# KiCad board SevenSegment.kicad_pcb (continued)
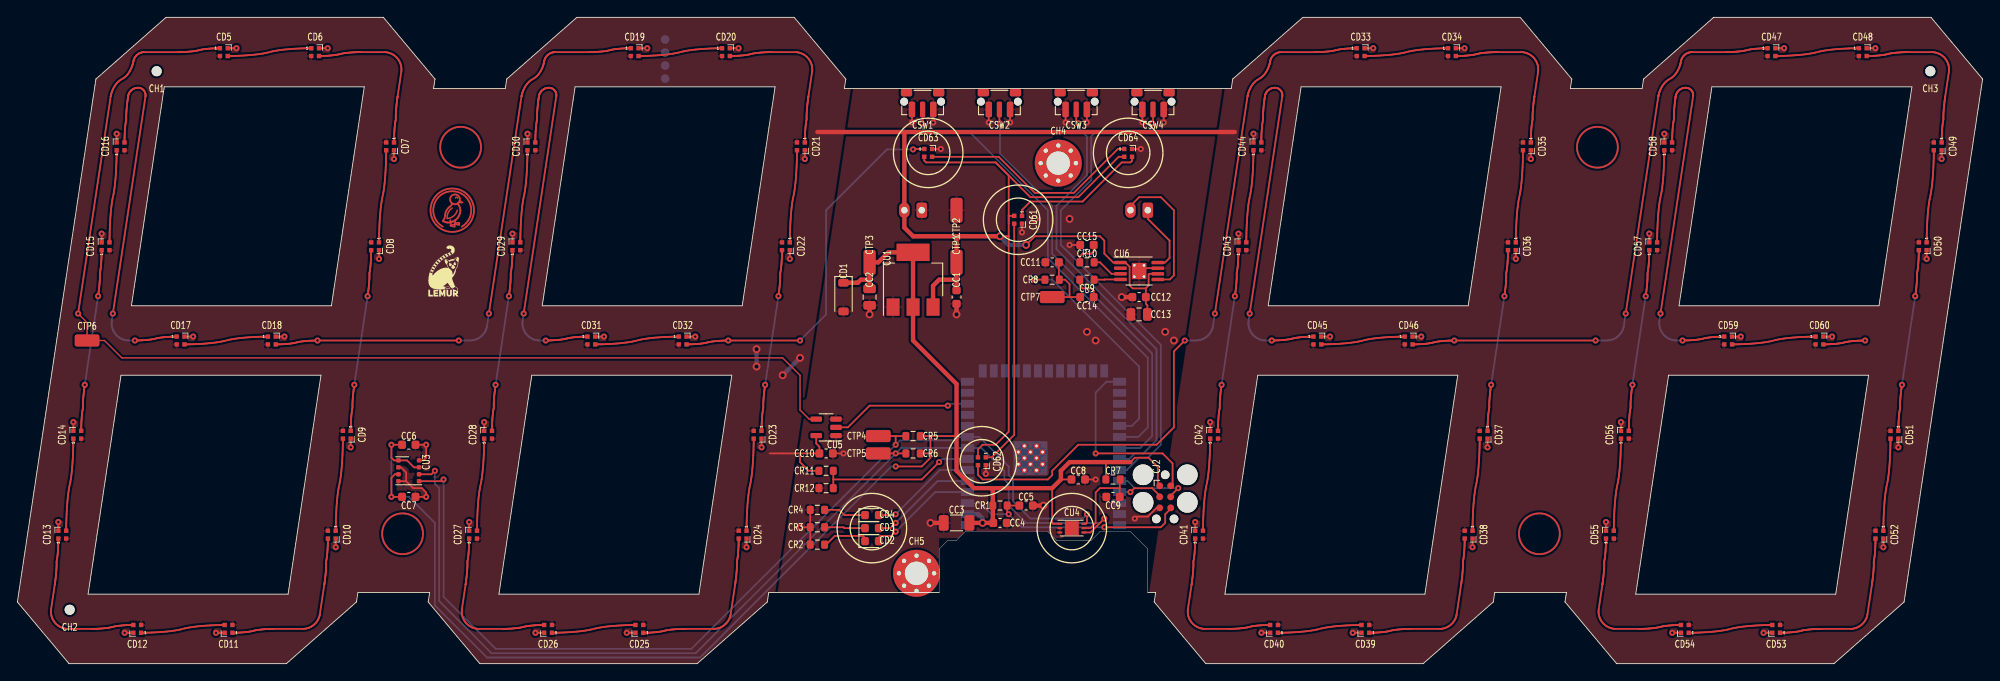
[diagram p0: board, top side]
## Routing (per net, layer and track width the routed paths; a pad name or vN(x,y) marks a point on that pad's centre or on a via; arc(x,y) is an arc through that point) (continued)
digit[0].led[11].dout: length 43.3
  Top w0.2: v2(13.52,37.2) 13.56,37.2 13.59,37.2 13.64,37.2 13.74,37.2 13.81,37.2 13.88,37.21 13.96,37.21 14.04,37.21 14.12,37.21 14.22,37.22 14.31,37.22 14.41,37.23 14.51,37.23 14.61,37.24 14.82,37.26 14.93,37.27 15.04,37.28 15.14,37.29 15.25,37.3 15.35,37.31 15.45,37.33 15.55,37.35 15.65,37.36 15.74,37.38 15.83,37.4 16,37.45 16.09,37.47 16.18,37.49 16.28,37.5 16.38,37.52 16.48,37.53 16.58,37.55 16.69,37.56 16.79,37.57 17.01,37.59 17.22,37.61 17.32,37.62 17.42,37.62 17.52,37.63 17.61,37.63 17.7,37.64 17.79,37.64 17.87,37.64 17.95,37.64 18.02,37.65 18.14,37.65 18.19,37.65 ; v2(10.98,40.3) 14.73,65.3 14.73,65.31 14.74,65.36 14.74,65.41 14.74,65.46 14.74,65.52 14.73,65.56 14.72,65.61 14.71,65.66 14.7,65.71 14.68,65.75 14.66,65.8 14.64,65.84 14.62,65.88 14.59,65.92 14.56,65.96 14.53,66 14.5,66.04 14.47,66.07 14.43,66.1 14.39,66.13 14.35,66.16 14.31,66.19 14.27,66.21 14.22,66.23 14.18,66.25 14.13,66.26 14.08,66.28 14.03,66.29 13.98,66.29 13.93,66.3 13.88,66.3 13.82,66.3 13.77,66.29 13.71,66.29 13.66,66.28 13.6,66.27 13.55,66.25 13.5,66.23 13.45,66.21 13.39,66.19 13.35,66.17 13.3,66.14 13.25,66.12 13.21,66.08 13.16,66.05 13.12,66.02 13.08,65.98 13.04,65.94 13.01,65.91 12.97,65.86 12.94,65.82 12.91,65.77 12.88,65.73 12.85,65.68 12.83,65.63 12.81,65.58 12.79,65.53 12.77,65.48 12.75,65.42 12.74,65.37 12.73,65.29 12.73,65.28 12.72,65.25 12.72,65.21 12.71,65.17 12.7,65.11 12.7,65.05 12.69,64.98 12.67,64.9 12.67,64.82 12.65,64.73 12.64,64.63 12.63,64.53 12.62,64.43 12.61,64.32 12.59,64.21 12.58,64.09 12.57,63.98 12.56,63.86 12.55,63.63 12.54,63.51 12.53,63.39 12.53,63.28 12.52,63.17 12.52,63.05 12.52,62.95 12.52,62.84 12.52,62.74 12.52,62.65 12.5,62.56 12.48,62.46 12.47,62.36 12.45,62.25 12.44,62.14 12.42,62.03 12.41,61.91 12.4,61.8 12.39,61.68 12.37,61.44 12.36,61.33 12.36,61.21 12.34,60.99 12.34,60.88 12.33,60.77 12.33,60.67 12.33,60.58 12.33,60.49 12.32,60.4 12.32,60.32 12.32,60.19 12.32,60.13
  Bottom w0.2: v2(10.98,40.3) 10.86,39.5 10.84,39.38 10.84,39.26 10.84,39.14 10.84,39.02 10.86,38.91 10.88,38.79 10.91,38.68 10.94,38.57 10.98,38.47 11.02,38.36 11.07,38.26 11.12,38.17 11.19,38.07 11.25,37.98 11.32,37.89 11.4,37.81 11.48,37.73 11.56,37.66 11.65,37.59 11.74,37.53 11.84,37.47 11.94,37.41 12.04,37.36 12.14,37.32 12.25,37.29 12.37,37.26 12.48,37.23 12.6,37.21 12.72,37.2 12.84,37.2 v2(13.52,37.2)
digit[0].led[12].dout: length 9.5
  Top w0.2: 28.72,37.65 28.66,37.65 28.57,37.65 28.47,37.65 28.36,37.64 28.23,37.64 28.09,37.64 27.93,37.63 27.77,37.63 27.59,37.62 27.41,37.61 27.22,37.6 27.03,37.59 26.83,37.58 26.62,37.57 26.41,37.55 26.2,37.54 25.98,37.52 25.77,37.5 25.56,37.47 25.35,37.45 25.14,37.42 24.94,37.39 24.74,37.36 24.55,37.32 24.36,37.28 24.18,37.24 23.85,37.16 23.67,37.12 23.48,37.08 23.29,37.04 23.09,37.01 22.89,36.98 22.68,36.95 22.47,36.93 22.26,36.9 22.05,36.88 21.83,36.86 21.62,36.85 21.41,36.83 21.2,36.82 21,36.81 20.81,36.8 20.62,36.79 20.44,36.78 20.26,36.77 20.1,36.77 19.94,36.76 19.8,36.76 19.67,36.76 19.56,36.75 19.46,36.75 19.37,36.75 19.31,36.75
digit[1].dout: length 43.4
  Top w0.2: 77.09,36.75 77.19,36.75 77.26,36.75 77.33,36.76 77.41,36.76 77.49,36.76 77.58,36.76 77.67,36.77 77.76,36.77 77.86,36.78 77.96,36.78 78.06,36.79 78.27,36.81 78.49,36.83 78.59,36.84 78.7,36.85 78.8,36.86 78.9,36.88 79,36.9 79.1,36.91 79.19,36.93 79.28,36.95 79.45,37 79.54,37.02 79.63,37.04 79.73,37.05 79.83,37.07 79.93,37.08 80.03,37.1 80.14,37.11 80.24,37.12 80.35,37.13 80.46,37.14 80.67,37.16 80.77,37.17 80.87,37.17 80.97,37.18 81.06,37.18 81.16,37.19 81.24,37.19 81.32,37.19 81.4,37.19 81.47,37.2 81.59,37.2 81.64,37.2 81.69,37.2 81.72,37.2 v2(81.77,37.2) v2(90.02,37.2) ; v2(103.02,59.2) 103.06,59.25 CD63.1
  Bottom w0.2: v2(103.02,59.2) 100.02,59.2 93.02,52.2 93.02,40.2 v2(90.02,37.2)
digit[1].led[0].dout: length 9.5
  Top w0.2: 71.53,69.95 71.6,69.95 71.69,69.95 71.79,69.95 71.9,69.96 72.03,69.96 72.17,69.96 72.33,69.97 72.49,69.97 72.66,69.98 72.85,69.99 73.04,70 73.23,70.01 73.44,70.02 73.64,70.03 73.85,70.05 74.06,70.06 74.28,70.08 74.49,70.1 74.7,70.13 74.91,70.15 75.12,70.18 75.32,70.21 75.52,70.24 75.71,70.28 75.9,70.32 76.08,70.36 76.41,70.44 76.59,70.48 76.78,70.52 76.97,70.56 77.17,70.59 77.37,70.62 77.58,70.65 77.79,70.67 78,70.7 78.22,70.72 78.43,70.74 78.64,70.75 78.85,70.77 79.06,70.78 79.26,70.79 79.45,70.8 79.64,70.81 79.83,70.82 80,70.83 80.16,70.83 80.32,70.84 80.46,70.84 80.59,70.84 80.7,70.85 80.8,70.85 80.89,70.85 80.95,70.85
digit[1].led[1].dout: length 18.9
  Top w0.2: 90.57,60.13 90.57,60.25 90.57,60.32 90.57,60.4 90.58,60.49 90.58,60.58 90.58,60.67 90.58,60.77 90.59,60.88 90.59,60.99 90.61,61.21 90.61,61.33 90.62,61.44 90.64,61.68 90.65,61.8 90.66,61.91 90.67,62.03 90.69,62.14 90.7,62.25 90.72,62.36 90.73,62.46 90.75,62.56 90.77,62.65 90.77,62.74 90.77,62.84 90.77,62.95 90.77,63.05 90.77,63.17 90.78,63.28 90.78,63.39 90.79,63.51 90.8,63.63 90.81,63.86 90.82,63.98 90.83,64.09 90.84,64.21 90.86,64.32 90.87,64.43 90.88,64.53 90.89,64.63 90.9,64.73 90.91,64.82 90.92,64.9 90.94,64.98 90.94,65.05 90.95,65.11 90.96,65.17 90.97,65.21 90.97,65.25 90.98,65.3 91.4,68.1 91.41,68.22 91.42,68.34 91.42,68.46 91.41,68.58 91.4,68.69 91.38,68.81 91.36,68.92 91.32,69.03 91.28,69.13 91.24,69.24 91.19,69.34 91.14,69.43 91.07,69.53 91.01,69.62 90.94,69.7 90.86,69.79 90.78,69.87 90.7,69.94 90.61,70.01 90.52,70.07 90.42,70.13 90.32,70.19 90.22,70.23 90.12,70.28 90.01,70.31 89.89,70.34 89.78,70.37 89.66,70.39 89.54,70.4 89.42,70.4 86.7,70.4 86.67,70.4 86.62,70.4 86.52,70.4 86.45,70.4 86.38,70.39 86.3,70.39 86.22,70.39 86.14,70.39 86.04,70.38 85.95,70.38 85.85,70.37 85.75,70.37 85.65,70.36 85.44,70.34 85.22,70.32 85.12,70.31 85.01,70.3 84.91,70.28 84.81,70.27 84.71,70.25 84.61,70.24 84.52,70.22 84.43,70.2 84.26,70.15 84.17,70.13 84.08,70.11 83.98,70.1 83.88,70.08 83.78,70.06 83.68,70.05 83.57,70.04 83.47,70.03 83.36,70.02 83.25,70.01 83.04,69.99 82.94,69.98 82.84,69.98 82.74,69.97 82.65,69.97 82.56,69.96 82.47,69.96 82.39,69.96 82.31,69.96 82.24,69.95 82.12,69.95 82.07,69.95
digit[1].led[2].dout: length 10.4
  Top w0.2: 89.67,59 89.67,58.93 89.67,58.83 89.66,58.72 89.66,58.59 89.66,58.45 89.66,58.3 89.65,58.13 89.65,57.94 89.64,57.75 89.63,57.55 89.63,57.34 89.62,57.13 89.61,56.9 89.59,56.67 89.58,56.44 89.56,56.21 89.55,55.97 89.53,55.74 89.5,55.5 89.48,55.27 89.46,55.04 89.43,54.82 89.4,54.6 89.37,54.39 89.33,54.18 89.3,53.99 89.22,53.61 89.18,53.42 89.14,53.21 89.11,53 89.08,52.78 89.05,52.56 89.03,52.33 89,52.09 88.98,51.86 88.97,51.62 88.95,51.39 88.93,51.16 88.92,50.92 88.91,50.7 88.89,50.47 88.88,50.26 88.88,50.05 88.87,49.85 88.86,49.66 88.86,49.47 88.85,49.3 88.85,49.15 88.85,49 88.85,48.88 88.84,48.77 88.84,48.67 88.84,48.6
digit[1].led[3].dout: length 20.7
  Top w0.2: v2(87.53,42.3) 87.54,42.35 87.54,42.39 87.55,42.43 87.56,42.49 87.56,42.55 87.58,42.62 87.59,42.7 87.59,42.78 87.61,42.87 87.62,42.97 87.63,43.07 87.64,43.17 87.65,43.28 87.66,43.39 87.68,43.5 87.69,43.62 87.7,43.74 87.72,43.97 87.72,44.09 87.73,44.21 87.73,44.32 87.74,44.43 87.74,44.54 87.74,44.65 87.74,44.76 87.74,44.85 87.74,44.95 87.76,45.04 87.78,45.14 87.79,45.24 87.81,45.35 87.82,45.46 87.84,45.57 87.85,45.69 87.86,45.8 87.87,45.92 87.89,46.16 87.9,46.27 87.91,46.39 87.92,46.61 87.92,46.72 87.93,46.83 87.93,46.93 87.93,47.02 87.94,47.11 87.94,47.2 87.94,47.28 87.94,47.41 87.94,47.47 ; 85.59,26.93 85.59,27.05 85.59,27.12 85.59,27.2 85.59,27.29 85.6,27.38 85.6,27.47 85.6,27.57 85.61,27.68 85.61,27.79 85.62,28.01 85.63,28.13 85.64,28.24 85.66,28.48 85.67,28.6 85.68,28.71 85.69,28.83 85.71,28.94 85.72,29.05 85.74,29.16 85.75,29.26 85.77,29.36 85.79,29.45 85.79,29.54 85.79,29.64 85.79,29.75 85.79,29.85 85.79,29.97 85.8,30.08 85.8,30.19 85.81,30.31 85.81,30.43 85.83,30.66 85.84,30.78 85.85,30.89 85.87,31.01 85.88,31.12 85.89,31.23 85.9,31.33 85.91,31.43 85.92,31.53 85.94,31.62 85.94,31.7 85.95,31.78 85.97,31.85 85.97,31.91 85.98,31.97 85.99,32.01 85.99,32.05 86,32.08 v2(86,32.1)
  Bottom w0.2: v2(87.53,42.3) v2(86,32.1)
digit[1].led[4].dout: length 10.4
  Top w0.2: 83.86,15.4 83.86,15.47 83.86,15.57 83.87,15.68 83.87,15.8 83.87,15.95 83.87,16.1 83.88,16.27 83.88,16.45 83.89,16.65 83.9,16.85 83.9,17.06 83.91,17.27 83.92,17.5 83.94,17.72 83.95,17.96 83.97,18.19 83.98,18.42 84,18.66 84.03,18.89 84.05,19.13 84.07,19.36 84.1,19.58 84.13,19.8 84.16,20.01 84.2,20.22 84.23,20.41 84.31,20.79 84.35,20.98 84.39,21.19 84.42,21.4 84.45,21.62 84.48,21.84 84.5,22.07 84.53,22.3 84.55,22.54 84.56,22.77 84.58,23.01 84.6,23.24 84.61,23.47 84.62,23.7 84.64,23.93 84.65,24.14 84.65,24.35 84.66,24.55 84.67,24.74 84.67,24.93 84.68,25.1 84.68,25.25 84.68,25.39 84.68,25.52 84.69,25.63 84.69,25.73 84.69,25.8
digit[1].led[5].dout: length 19.5
  Top w0.2: 72.11,3.55 72.21,3.55 72.28,3.55 72.35,3.56 72.43,3.56 72.51,3.56 72.59,3.56 72.69,3.57 72.78,3.57 72.88,3.58 72.98,3.58 73.08,3.59 73.29,3.61 73.4,3.62 73.51,3.63 73.61,3.64 73.72,3.65 73.82,3.66 73.92,3.68 74.02,3.7 74.12,3.71 74.21,3.73 74.3,3.75 74.47,3.8 74.56,3.82 74.65,3.84 74.75,3.85 74.85,3.87 74.95,3.88 75.05,3.9 75.16,3.91 75.26,3.92 75.48,3.94 75.69,3.96 75.79,3.97 75.89,3.97 75.99,3.98 76.08,3.98 76.17,3.99 76.26,3.99 76.34,3.99 76.42,3.99 76.49,4 76.61,4 76.66,4 76.71,4 76.74,4 80.06,4 80.16,4 80.26,4.01 80.36,4.02 80.45,4.04 80.54,4.06 80.63,4.08 80.72,4.11 80.81,4.15 80.9,4.18 80.98,4.22 81.06,4.27 81.14,4.32 81.22,4.37 81.3,4.42 81.37,4.48 81.44,4.55 81.5,4.61 81.57,4.68 81.63,4.75 81.68,4.83 81.74,4.9 81.78,4.98 81.83,5.07 81.87,5.15 81.91,5.24 81.95,5.33 81.98,5.42 82,5.51 82.02,5.61 82.04,5.7 82.55,9.1 82.56,9.15 82.56,9.19 82.57,9.23 82.58,9.29 82.59,9.35 82.59,9.42 82.61,9.5 82.62,9.58 82.63,9.67 82.64,9.77 82.65,9.87 82.66,9.97 82.67,10.08 82.69,10.19 82.7,10.3 82.71,10.42 82.72,10.54 82.73,10.77 82.74,10.89 82.75,11.01 82.75,11.12 82.76,11.23 82.76,11.34 82.76,11.45 82.76,11.56 82.76,11.66 82.76,11.75 82.78,11.84 82.8,11.94 82.81,12.04 82.83,12.15 82.84,12.26 82.86,12.37 82.87,12.49 82.88,12.6 82.89,12.72 82.91,12.95 82.92,13.07 82.92,13.19 82.94,13.41 82.94,13.52 82.95,13.63 82.95,13.73 82.95,13.82 82.95,13.91 82.96,14 82.96,14.08 82.96,14.21 82.96,14.27
digit[1].led[6].dout: length 9.5
  Top w0.2: 61.58,3.55 61.64,3.55 61.73,3.55 61.83,3.55 61.94,3.56 62.07,3.56 62.21,3.56 62.37,3.57 62.53,3.57 62.7,3.58 62.89,3.59 63.08,3.6 63.27,3.61 63.48,3.62 63.68,3.63 63.89,3.65 64.1,3.66 64.31,3.68 64.53,3.7 64.74,3.73 64.95,3.75 65.16,3.78 65.36,3.81 65.56,3.84 65.75,3.88 65.94,3.92 66.12,3.96 66.45,4.04 66.63,4.08 66.82,4.12 67.01,4.16 67.21,4.19 67.41,4.22 67.62,4.25 67.83,4.27 68.04,4.3 68.25,4.32 68.47,4.34 68.68,4.35 68.89,4.37 69.09,4.38 69.3,4.39 69.49,4.4 69.68,4.41 69.87,4.42 70.04,4.43 70.2,4.43 70.36,4.44 70.5,4.44 70.63,4.44 70.74,4.45 70.84,4.45 70.93,4.45 71,4.45
digit[1].led[7].dout: length 18.9
  Top w0.2: 51.96,14.27 51.96,14.15 51.96,14.08 51.96,14 51.95,13.91 51.95,13.82 51.95,13.73 51.95,13.63 51.94,13.52 51.94,13.41 51.92,13.19 51.92,13.07 51.91,12.95 51.89,12.72 51.88,12.6 51.87,12.49 51.86,12.37 51.84,12.26 51.83,12.15 51.81,12.04 51.8,11.94 51.78,11.84 51.76,11.75 51.76,11.66 51.76,11.56 51.76,11.45 51.76,11.34 51.76,11.23 51.76,11.12 51.75,11.01 51.74,10.89 51.73,10.77 51.72,10.54 51.71,10.42 51.7,10.3 51.69,10.19 51.67,10.08 51.66,9.97 51.65,9.87 51.64,9.77 51.63,9.67 51.62,9.58 51.61,9.5 51.59,9.42 51.59,9.35 51.58,9.29 51.57,9.23 51.56,9.19 51.56,9.15 51.55,9.12 51.55,9.1 51.13,6.3 51.12,6.18 51.11,6.06 51.11,5.94 51.12,5.82 51.13,5.71 51.15,5.59 51.17,5.48 51.21,5.37 51.25,5.27 51.29,5.16 51.34,5.06 51.4,4.97 51.46,4.87 51.52,4.78 51.59,4.69 51.67,4.61 51.75,4.53 51.83,4.46 51.92,4.39 52.01,4.33 52.11,4.27 52.21,4.21 52.31,4.16 52.41,4.12 52.52,4.09 52.64,4.06 52.75,4.03 52.87,4.01 52.99,4 53.11,4 55.83,4 55.86,4 55.91,4 56.01,4 56.08,4 56.15,4.01 56.23,4.01 56.31,4.01 56.4,4.01 56.49,4.02 56.58,4.02 56.68,4.03 56.78,4.03 56.88,4.04 57.09,4.06 57.31,4.08 57.41,4.09 57.52,4.1 57.62,4.11 57.72,4.13 57.82,4.15 57.92,4.16 58.01,4.18 58.1,4.2 58.27,4.25 58.36,4.27 58.45,4.29 58.55,4.3 58.65,4.32 58.75,4.33 58.85,4.35 58.96,4.36 59.06,4.37 59.17,4.38 59.28,4.39 59.49,4.41 59.59,4.42 59.69,4.42 59.79,4.43 59.88,4.43 59.98,4.44 60.06,4.44 60.14,4.44 60.22,4.44 60.29,4.45 60.41,4.45 60.46,4.45
digit[1].led[8].dout: length 10.4
  Top w0.2: 53.69,25.8 53.69,25.73 53.69,25.63 53.68,25.52 53.68,25.39 53.68,25.25 53.68,25.1 53.67,24.93 53.67,24.74 53.66,24.55 53.65,24.35 53.65,24.14 53.64,23.93 53.62,23.7 53.61,23.47 53.6,23.24 53.58,23.01 53.56,22.77 53.55,22.54 53.52,22.3 53.5,22.07 53.48,21.84 53.45,21.62 53.42,21.4 53.39,21.19 53.35,20.98 53.31,20.79 53.23,20.41 53.2,20.22 53.16,20.01 53.13,19.8 53.1,19.58 53.07,19.36 53.05,19.13 53.02,18.89 53,18.66 52.98,18.42 52.97,18.19 52.95,17.96 52.94,17.72 52.92,17.5 52.91,17.27 52.9,17.06 52.9,16.85 52.89,16.65 52.88,16.45 52.88,16.27 52.87,16.1 52.87,15.95 52.87,15.8 52.87,15.68 52.86,15.57 52.86,15.47 52.86,15.4
digit[1].led[9].dout: length 20.7
  Top w0.2: v2(55,32.1) 54.99,32.05 54.99,32.01 54.98,31.97 54.97,31.91 54.97,31.85 54.95,31.78 54.95,31.7 54.94,31.62 54.92,31.53 54.91,31.43 54.9,31.33 54.89,31.23 54.88,31.12 54.87,31.01 54.85,30.89 54.84,30.78 54.83,30.66 54.81,30.43 54.81,30.31 54.8,30.19 54.8,30.08 54.79,29.97 54.79,29.85 54.79,29.75 54.79,29.64 54.79,29.54 54.79,29.45 54.77,29.36 54.76,29.26 54.74,29.16 54.72,29.05 54.71,28.94 54.69,28.83 54.68,28.71 54.67,28.6 54.66,28.48 54.64,28.24 54.63,28.13 54.62,28.01 54.61,27.79 54.61,27.68 54.6,27.57 54.6,27.47 54.6,27.38 54.59,27.29 54.59,27.2 54.59,27.12 54.59,26.99 54.59,26.93 ; 56.94,47.47 56.94,47.35 56.94,47.28 56.94,47.2 56.94,47.11 56.93,47.02 56.93,46.93 56.93,46.83 56.92,46.72 56.92,46.61 56.91,46.39 56.9,46.27 56.89,46.16 56.87,45.92 56.86,45.8 56.85,45.69 56.84,45.57 56.82,45.46 56.81,45.35 56.79,45.24 56.77,45.14 56.76,45.04 56.74,44.95 56.74,44.85 56.74,44.76 56.74,44.65 56.74,44.54 56.74,44.43 56.73,44.32 56.73,44.21 56.72,44.09 56.72,43.97 56.7,43.74 56.69,43.62 56.68,43.5 56.66,43.39 56.65,43.28 56.64,43.17 56.63,43.07 56.62,42.97 56.61,42.87 56.59,42.78 56.59,42.7 56.58,42.62 56.56,42.55 56.56,42.49 56.55,42.43 56.54,42.39 56.54,42.35 56.53,42.32 v2(56.53,42.3)
  Bottom w0.2: v2(55,32.1) v2(56.53,42.3)
digit[1].led[10].dout: length 10.4
  Top w0.2: 58.67,59 58.67,58.93 58.67,58.83 58.66,58.72 58.66,58.59 58.66,58.45 58.66,58.3 58.65,58.13 58.65,57.94 58.64,57.75 58.63,57.55 58.63,57.34 58.62,57.13 58.61,56.9 58.59,56.67 58.58,56.44 58.56,56.21 58.55,55.97 58.53,55.74 58.51,55.5 58.48,55.27 58.46,55.04 58.43,54.82 58.4,54.6 58.37,54.39 58.33,54.18 58.3,53.99 58.22,53.61 58.18,53.42 58.14,53.21 58.11,53 58.08,52.78 58.05,52.56 58.03,52.33 58.01,52.09 57.98,51.86 57.97,51.62 57.95,51.39 57.93,51.16 57.92,50.92 57.91,50.7 57.89,50.47 57.88,50.26 57.88,50.05 57.87,49.85 57.86,49.66 57.86,49.47 57.85,49.3 57.85,49.15 57.85,49 57.85,48.88 57.84,48.77 57.84,48.67 57.84,48.6
digit[1].led[11].dout: length 43.3
  Top w0.2: v2(60.77,37.2) 60.81,37.2 60.84,37.2 60.89,37.2 60.99,37.2 61.06,37.2 61.13,37.21 61.21,37.21 61.29,37.21 61.38,37.21 61.47,37.22 61.56,37.22 61.66,37.23 61.76,37.23 61.86,37.24 62.07,37.26 62.18,37.27 62.29,37.28 62.39,37.29 62.5,37.3 62.6,37.31 62.7,37.33 62.8,37.35 62.9,37.36 62.99,37.38 63.08,37.4 63.25,37.45 63.34,37.47 63.43,37.49 63.53,37.5 63.63,37.52 63.73,37.53 63.83,37.55 63.94,37.56 64.04,37.57 64.26,37.59 64.47,37.61 64.57,37.62 64.67,37.62 64.77,37.63 64.86,37.63 64.95,37.64 65.04,37.64 65.12,37.64 65.2,37.64 65.27,37.65 65.39,37.65 65.44,37.65 ; v2(58.23,40.3) 61.98,65.3 61.98,65.31 61.99,65.36 61.99,65.41 61.99,65.46 61.99,65.52 61.98,65.56 61.97,65.61 61.96,65.66 61.95,65.71 61.93,65.75 61.91,65.8 61.89,65.84 61.87,65.88 61.84,65.92 61.81,65.96 61.78,66 61.75,66.04 61.72,66.07 61.68,66.1 61.64,66.13 61.6,66.16 61.56,66.19 61.52,66.21 61.47,66.23 61.43,66.25 61.38,66.26 61.33,66.28 61.28,66.29 61.23,66.29 61.18,66.3 61.13,66.3 61.07,66.3 61.02,66.29 60.96,66.29 60.91,66.28 60.85,66.27 60.8,66.25 60.75,66.23 60.7,66.21 60.65,66.19 60.6,66.17 60.55,66.14 60.5,66.12 60.46,66.08 60.41,66.05 60.37,66.02 60.33,65.98 60.29,65.94 60.26,65.91 60.22,65.86 60.19,65.82 60.16,65.77 60.13,65.73 60.1,65.68 60.08,65.63 60.06,65.58 60.04,65.53 60.02,65.48 60,65.42 59.99,65.37 59.98,65.29 59.98,65.28 59.97,65.25 59.97,65.21 59.96,65.17 59.95,65.11 59.95,65.05 59.94,64.98 59.92,64.9 59.91,64.82 59.9,64.73 59.89,64.63 59.88,64.53 59.87,64.43 59.86,64.32 59.84,64.21 59.83,64.09 59.82,63.98 59.81,63.86 59.8,63.63 59.79,63.51 59.78,63.39 59.77,63.28 59.77,63.17 59.77,63.05 59.77,62.95 59.77,62.84 59.77,62.74 59.77,62.65 59.75,62.56 59.73,62.46 59.72,62.36 59.7,62.25 59.69,62.14 59.67,62.03 59.66,61.91 59.65,61.8 59.64,61.68 59.62,61.44 59.61,61.33 59.61,61.21 59.59,60.99 59.59,60.88 59.58,60.77 59.58,60.67 59.58,60.58 59.58,60.49 59.57,60.4 59.57,60.32 59.57,60.19 59.57,60.13
  Bottom w0.2: v2(58.23,40.3) 58.11,39.5 58.09,39.38 58.09,39.26 58.09,39.14 58.09,39.02 58.11,38.91 58.13,38.79 58.16,38.68 58.19,38.57 58.23,38.47 58.27,38.36 58.32,38.26 58.38,38.17 58.44,38.07 58.5,37.98 58.57,37.89 58.65,37.81 58.73,37.73 58.81,37.66 58.9,37.59 58.99,37.53 59.09,37.47 59.19,37.41 59.29,37.36 59.4,37.32 59.5,37.29 59.62,37.26 59.73,37.23 59.85,37.21 59.97,37.2 60.09,37.2 v2(60.77,37.2)
digit[1].led[12].dout: length 9.5
  Top w0.2: 75.97,37.65 75.91,37.65 75.82,37.65 75.72,37.65 75.61,37.64 75.48,37.64 75.34,37.64 75.18,37.63 75.02,37.63 74.84,37.62 74.66,37.61 74.47,37.6 74.28,37.59 74.08,37.58 73.87,37.57 73.66,37.55 73.45,37.54 73.23,37.52 73.02,37.5 72.81,37.47 72.6,37.45 72.39,37.42 72.19,37.39 71.99,37.36 71.8,37.32 71.61,37.28 71.43,37.24 71.1,37.16 70.92,37.12 70.73,37.08 70.54,37.04 70.34,37.01 70.14,36.98 69.93,36.95 69.72,36.93 69.51,36.9 69.3,36.88 69.08,36.86 68.87,36.85 68.66,36.83 68.45,36.82 68.25,36.81 68.06,36.8 67.87,36.79 67.69,36.78 67.51,36.77 67.35,36.77 67.19,36.76 67.05,36.76 66.92,36.76 66.81,36.75 66.71,36.75 66.62,36.75 66.56,36.75
digit[2].dout: length 67.1
  Top w0.2: v2(184.98,40.3) 188.73,65.3 188.74,65.34 188.74,65.37 188.75,65.41 188.76,65.45 188.77,65.5 188.79,65.56 188.81,65.62 188.82,65.69 188.85,65.76 188.87,65.84 188.9,65.91 188.94,66 188.97,66.08 189.01,66.17 189.06,66.25 189.1,66.34 189.15,66.43 189.21,66.52 189.27,66.61 189.33,66.7 189.4,66.78 189.48,66.87 189.56,66.95 189.64,67.03 189.73,67.1 189.82,67.17 189.92,67.24 190.14,67.36 190.24,67.43 190.33,67.5 190.42,67.57 190.5,67.65 190.58,67.73 190.66,67.82 190.73,67.9 190.79,67.99 190.85,68.08 190.91,68.17 190.96,68.26 191,68.34 191.05,68.43 191.09,68.52 191.12,68.6 191.16,68.69 191.19,68.76 191.21,68.84 191.24,68.91 191.25,68.98 191.27,69.04 191.29,69.1 191.3,69.15 191.31,69.19 191.32,69.23 191.32,69.26 191.34,69.36 191.36,69.42 191.37,69.48 191.39,69.54 191.41,69.6 191.44,69.66 191.47,69.71 191.5,69.76 191.53,69.82 191.56,69.87 191.6,69.91 191.64,69.96 191.68,70 191.72,70.05 191.76,70.09 191.81,70.12 191.86,70.16 191.91,70.19 191.96,70.23 192.01,70.25 192.07,70.28 192.12,70.31 192.18,70.33 192.24,70.35 192.3,70.36 192.36,70.38 192.42,70.39 192.48,70.39 192.54,70.4 192.61,70.4 196.54,70.4 196.57,70.4 196.62,70.4 196.72,70.4 196.79,70.4 196.86,70.41 196.94,70.41 197.02,70.41 197.11,70.41 197.2,70.42 197.29,70.42 197.39,70.43 197.49,70.43 197.59,70.44 197.8,70.46 197.91,70.47 198.02,70.48 198.12,70.49 198.23,70.5 198.33,70.51 198.43,70.53 198.53,70.55 198.63,70.56 198.72,70.58 198.81,70.6 198.98,70.65 199.07,70.67 199.16,70.69 199.26,70.7 199.36,70.72 199.46,70.73 199.56,70.75 199.67,70.76 199.77,70.77 199.99,70.79 200.2,70.81 200.3,70.82 200.4,70.82 200.5,70.83 200.59,70.83 200.69,70.84 200.77,70.84 200.85,70.84 200.93,70.84 201,70.85 201.12,70.85 201.17,70.85 ; 160.59,36.75 160.69,36.75 160.76,36.75 160.83,36.76 160.91,36.76 160.99,36.76 161.07,36.76 161.17,36.77 161.26,36.77 161.36,36.78 161.46,36.78 161.56,36.79 161.77,36.81 161.99,36.83 162.09,36.84 162.2,36.85 162.3,36.86 162.4,36.88 162.5,36.9 162.6,36.91 162.69,36.93 162.78,36.95 162.95,37 163.04,37.02 163.13,37.04 163.23,37.05 163.33,37.07 163.43,37.08 163.53,37.1 163.64,37.11 163.74,37.12 163.85,37.13 163.96,37.14 164.17,37.16 164.27,37.17 164.37,37.17 164.47,37.18 164.56,37.18 164.66,37.19 164.74,37.19 164.82,37.19 164.9,37.19 164.97,37.2 165.09,37.2 165.14,37.2 165.19,37.2 165.22,37.2 v2(165.26,37.2) v2(181.51,37.2)
  Bottom w0.2: v2(184.98,40.3) 184.77,38.9 184.75,38.81 184.73,38.71 184.71,38.62 184.68,38.53 184.64,38.44 184.6,38.35 184.56,38.27 184.51,38.18 184.47,38.1 184.41,38.03 184.36,37.95 184.3,37.88 184.23,37.81 184.17,37.75 184.1,37.69 184.03,37.62 183.95,37.57 183.87,37.52 183.8,37.47 183.71,37.42 183.63,37.38 183.54,37.35 183.45,37.31 183.36,37.28 183.27,37.26 183.18,37.24 183.08,37.22 182.99,37.21 182.89,37.2 182.79,37.2 v2(181.51,37.2)
digit[2].led[0].dout: length 9.5
  Top w0.2: 164.45,70.85 164.39,70.85 164.3,70.85 164.2,70.85 164.09,70.84 163.96,70.84 163.82,70.84 163.66,70.83 163.5,70.83 163.32,70.82 163.14,70.81 162.95,70.8 162.76,70.79 162.56,70.78 162.35,70.77 162.14,70.75 161.93,70.74 161.72,70.72 161.5,70.7 161.29,70.67 161.08,70.65 160.87,70.62 160.67,70.59 160.47,70.56 160.28,70.52 160.09,70.48 159.91,70.44 159.58,70.36 159.4,70.32 159.21,70.28 159.02,70.24 158.82,70.21 158.62,70.18 158.41,70.15 158.2,70.13 157.99,70.1 157.78,70.08 157.56,70.06 157.35,70.05 157.14,70.03 156.94,70.02 156.73,70.01 156.54,70 156.35,69.99 156.16,69.98 155.99,69.97 155.83,69.97 155.67,69.96 155.53,69.96 155.4,69.96 155.29,69.95 155.19,69.95 155.1,69.95 155.03,69.95
digit[2].led[1].dout: length 18.9
  Top w0.2: 174.07,60.13 174.07,60.25 174.07,60.32 174.07,60.4 174.07,60.49 174.08,60.58 174.08,60.67 174.08,60.77 174.09,60.88 174.09,60.99 174.11,61.21 174.11,61.33 174.12,61.44 174.14,61.68 174.15,61.8 174.16,61.91 174.17,62.03 174.19,62.14 174.2,62.25 174.22,62.36 174.24,62.46 174.25,62.56 174.27,62.65 174.27,62.74 174.27,62.84 174.27,62.95 174.27,63.05 174.27,63.17 174.28,63.28 174.28,63.39 174.29,63.51 174.3,63.63 174.31,63.86 174.32,63.98 174.33,64.09 174.34,64.21 174.36,64.32 174.37,64.43 174.38,64.53 174.39,64.63 174.4,64.73 174.41,64.82 174.43,64.9 174.44,64.98 174.44,65.05 174.45,65.11 174.46,65.17 174.47,65.21 174.47,65.25 174.48,65.28 174.48,65.3 174.9,68.1 174.91,68.22 174.92,68.34 174.92,68.46 174.91,68.58 174.9,68.69 174.88,68.81 174.86,68.92 174.82,69.03 174.78,69.13 174.74,69.24 174.69,69.34 174.63,69.43 174.57,69.53 174.51,69.62 174.44,69.7 174.36,69.79 174.28,69.87 174.2,69.94 174.11,70.01 174.02,70.07 173.92,70.13 173.82,70.19 173.72,70.23 173.62,70.28 173.51,70.31 173.39,70.34 173.28,70.37 173.16,70.39 173.04,70.4 172.92,70.4 170.2,70.4 170.17,70.4 170.12,70.4 170.02,70.4 169.95,70.4 169.88,70.39 169.8,70.39 169.72,70.39 169.63,70.39 169.54,70.38 169.45,70.38 169.35,70.37 169.25,70.37 169.15,70.36 168.94,70.34 168.72,70.32 168.62,70.31 168.51,70.3 168.41,70.28 168.31,70.27 168.21,70.25 168.11,70.24 168.02,70.22 167.93,70.2 167.76,70.15 167.67,70.13 167.58,70.11 167.48,70.1 167.38,70.08 167.28,70.06 167.18,70.05 167.07,70.04 166.97,70.03 166.86,70.02 166.75,70.01 166.54,69.99 166.44,69.98 166.34,69.98 166.24,69.97 166.15,69.97 166.06,69.96 165.97,69.96 165.89,69.96 165.81,69.96 165.74,69.95 165.62,69.95 165.57,69.95
digit[2].led[2].dout: length 10.4
  Top w0.2: 173.17,59 173.17,58.93 173.17,58.83 173.16,58.72 173.16,58.59 173.16,58.45 173.16,58.3 173.15,58.13 173.15,57.94 173.14,57.75 173.13,57.55 173.13,57.34 173.12,57.13 173.11,56.9 173.09,56.67 173.08,56.44 173.06,56.21 173.05,55.97 173.03,55.74 173,55.5 172.98,55.27 172.96,55.04 172.93,54.82 172.9,54.6 172.87,54.39 172.83,54.18 172.8,53.99 172.72,53.61 172.68,53.42 172.64,53.21 172.61,53 172.58,52.78 172.55,52.56 172.53,52.33 172.5,52.09 172.48,51.86 172.47,51.62 172.45,51.39 172.43,51.16 172.42,50.92 172.41,50.7 172.39,50.47 172.38,50.26 172.38,50.05 172.37,49.85 172.36,49.66 172.36,49.47 172.35,49.3 172.35,49.15 172.35,49 172.35,48.88 172.34,48.77 172.34,48.67 172.34,48.6
digit[2].led[3].dout: length 20.7
  Top w0.2: v2(171.03,42.3) 171.04,42.35 171.04,42.39 171.05,42.43 171.06,42.49 171.06,42.55 171.07,42.62 171.09,42.7 171.09,42.78 171.11,42.87 171.12,42.97 171.13,43.07 171.14,43.17 171.15,43.28 171.16,43.39 171.18,43.5 171.19,43.62 171.2,43.74 171.22,43.97 171.22,44.09 171.23,44.21 171.24,44.32 171.24,44.43 171.24,44.54 171.24,44.65 171.24,44.76 171.24,44.85 171.24,44.95 171.26,45.04 171.28,45.14 171.29,45.24 171.31,45.35 171.32,45.46 171.34,45.57 171.35,45.69 171.36,45.8 171.37,45.92 171.39,46.16 171.4,46.27 171.41,46.39 171.42,46.61 171.42,46.72 171.43,46.83 171.43,46.93 171.43,47.02 171.44,47.11 171.44,47.2 171.44,47.28 171.44,47.41 171.44,47.47 ; 169.09,26.93 169.09,27.05 169.09,27.12 169.09,27.2 169.09,27.29 169.1,27.38 169.1,27.47 169.1,27.57 169.11,27.68 169.11,27.79 169.12,28.01 169.13,28.13 169.14,28.24 169.16,28.48 169.17,28.6 169.18,28.71 169.19,28.83 169.21,28.94 169.22,29.05 169.24,29.16 169.25,29.26 169.27,29.36 169.29,29.45 169.29,29.54 169.29,29.64 169.29,29.75 169.29,29.85 169.29,29.97 169.3,30.08 169.3,30.19 169.31,30.31 169.31,30.43 169.33,30.66 169.34,30.78 169.35,30.89 169.37,31.01 169.38,31.12 169.39,31.23 169.4,31.33 169.41,31.43 169.42,31.53 169.44,31.62 169.44,31.7 169.45,31.78 169.47,31.85 169.47,31.91 169.48,31.97 169.49,32.01 169.49,32.05 169.5,32.08 v2(169.5,32.1)
  Bottom w0.2: v2(171.03,42.3) v2(169.5,32.1)
digit[2].led[4].dout: length 10.4
  Top w0.2: 168.19,25.8 168.19,25.73 168.19,25.63 168.18,25.52 168.18,25.39 168.18,25.25 168.18,25.1 168.17,24.93 168.17,24.74 168.16,24.55 168.15,24.35 168.15,24.14 168.14,23.93 168.12,23.7 168.11,23.47 168.1,23.24 168.08,23.01 168.06,22.77 168.05,22.54 168.03,22.3 168,22.07 167.98,21.84 167.95,21.62 167.92,21.4 167.89,21.19 167.85,20.98 167.81,20.79 167.74,20.41 167.7,20.22 167.66,20.01 167.63,19.8 167.6,19.58 167.57,19.36 167.55,19.13 167.53,18.89 167.5,18.66 167.49,18.42 167.47,18.19 167.45,17.96 167.44,17.72 167.43,17.5 167.41,17.27 167.4,17.06 167.4,16.85 167.39,16.65 167.38,16.45 167.38,16.27 167.37,16.1 167.37,15.95 167.37,15.8 167.37,15.68 167.36,15.57 167.36,15.47 167.36,15.4